# Altium PCB CM4-Main.PcbDoc
Units mil, origin at the board's own origin, x right, y up, seen from the top; angles counter-clockwise.
Board outline 2204.72 x 3346.46 mil, 6 copper layers (Top, GND1, Power, Signal, GND2, Bottom), stack 60.827 mil thick; 1 components, 63 nets, 206 pads, 0 vias.
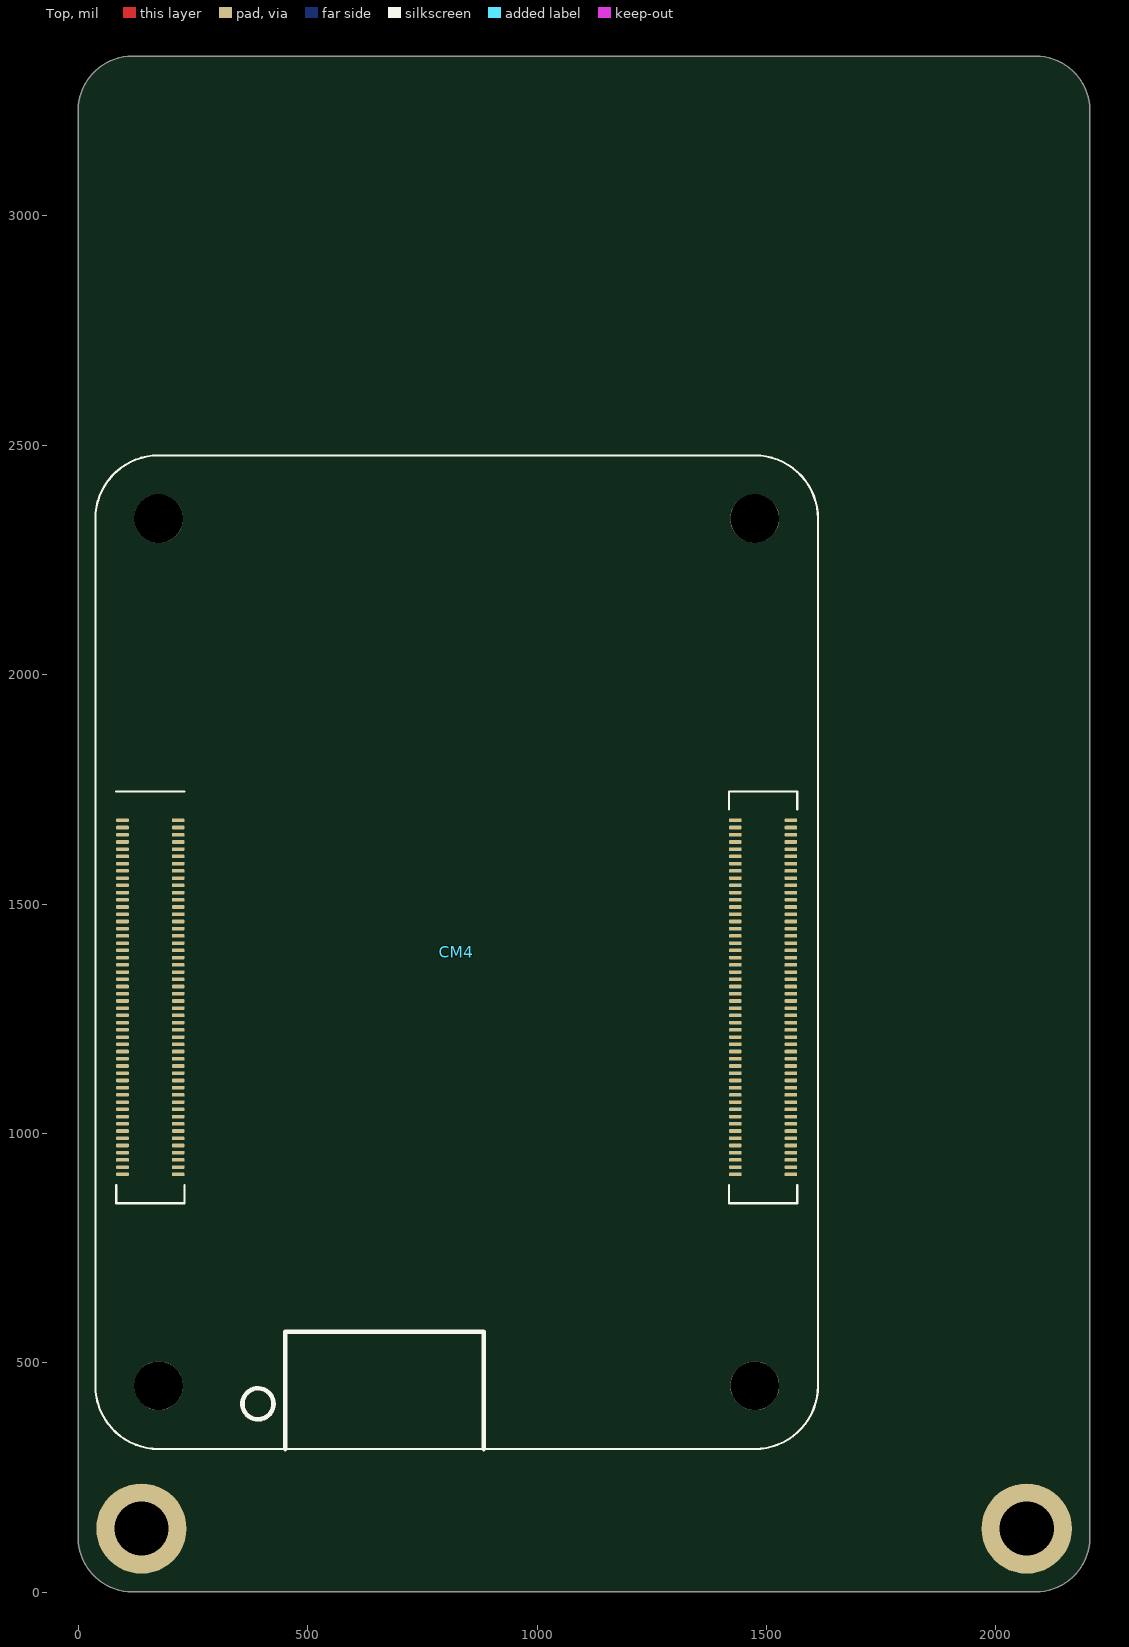
[diagram p0: Top view]
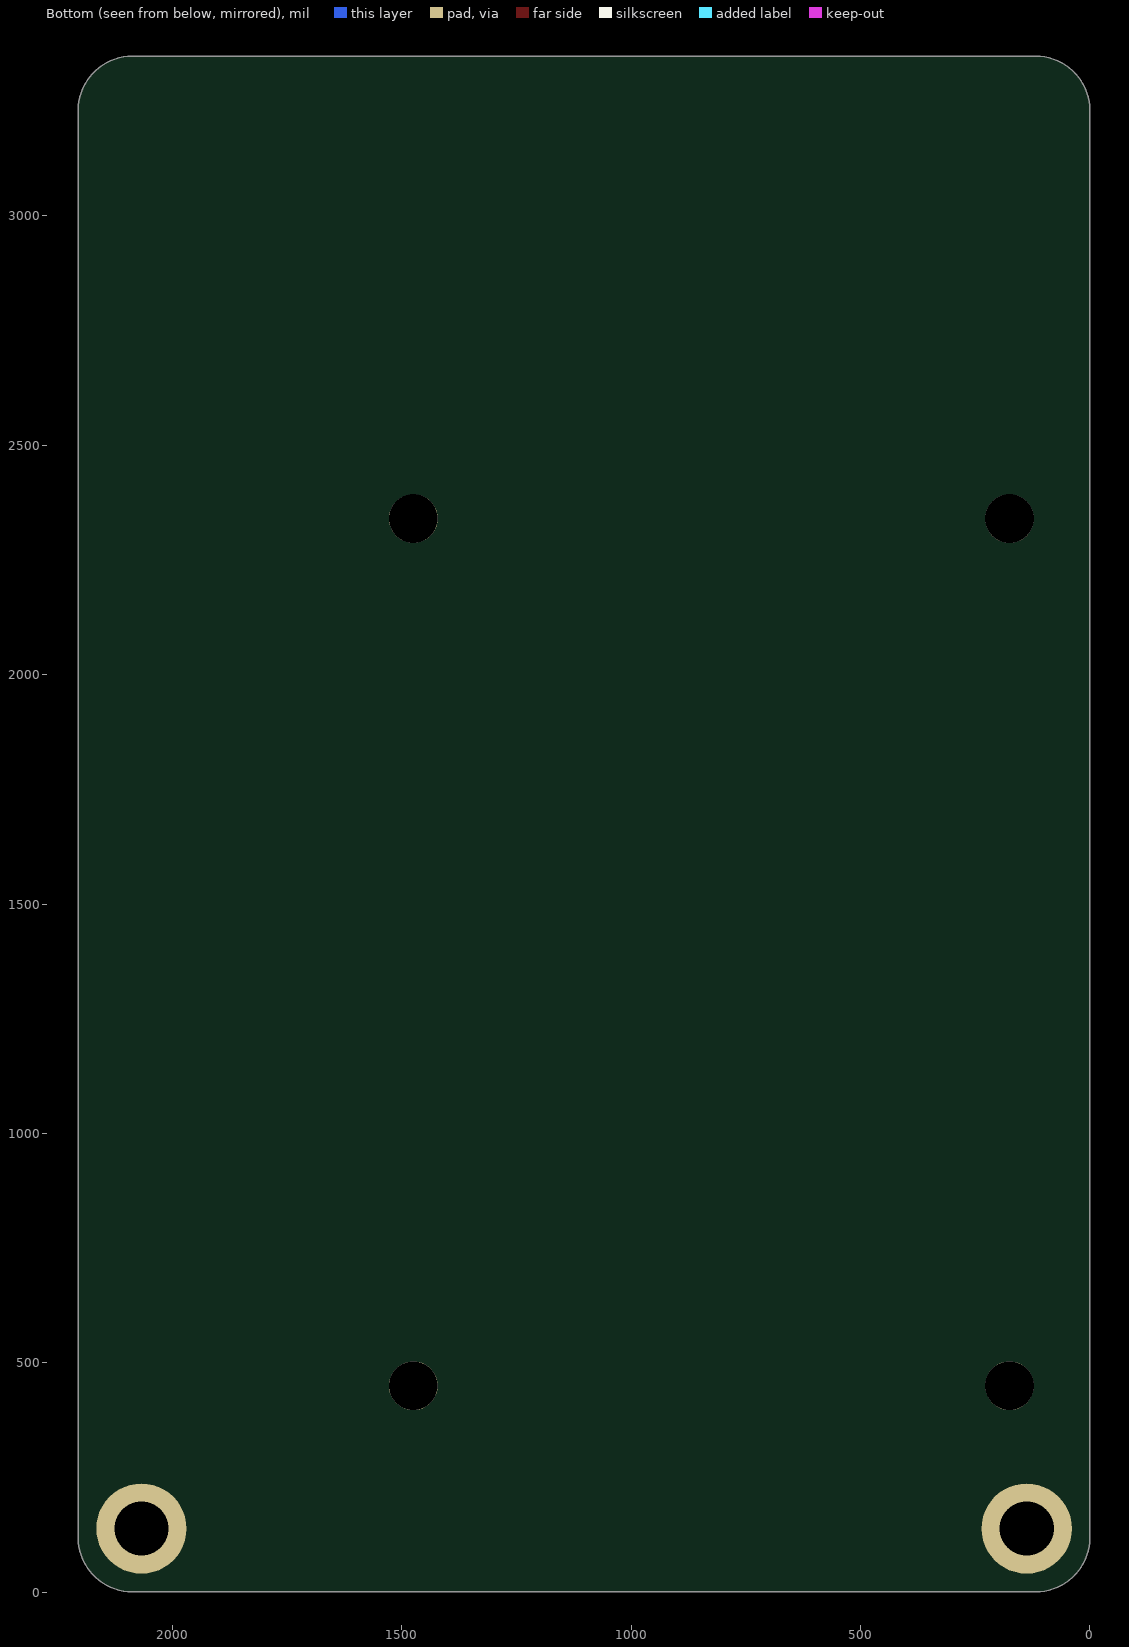
[diagram p1: Bottom view, seen from below]
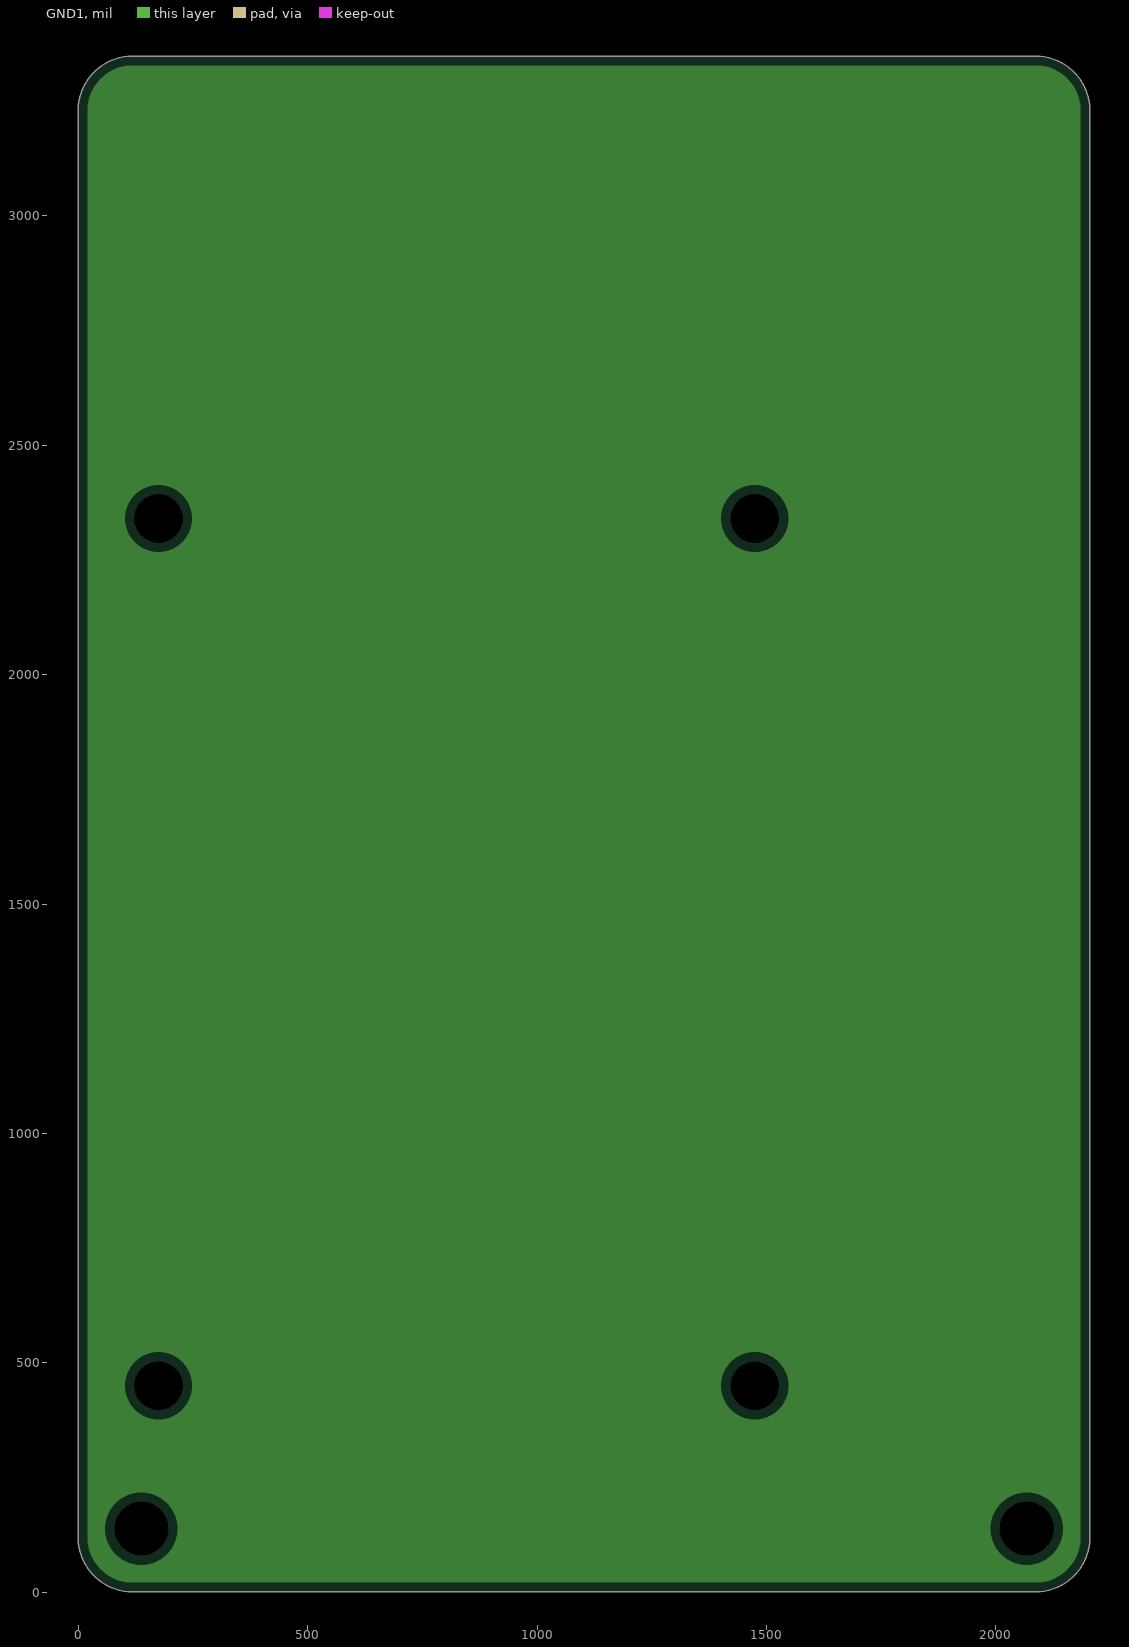
[diagram p2: GND1, clearances drawn from the general rule]
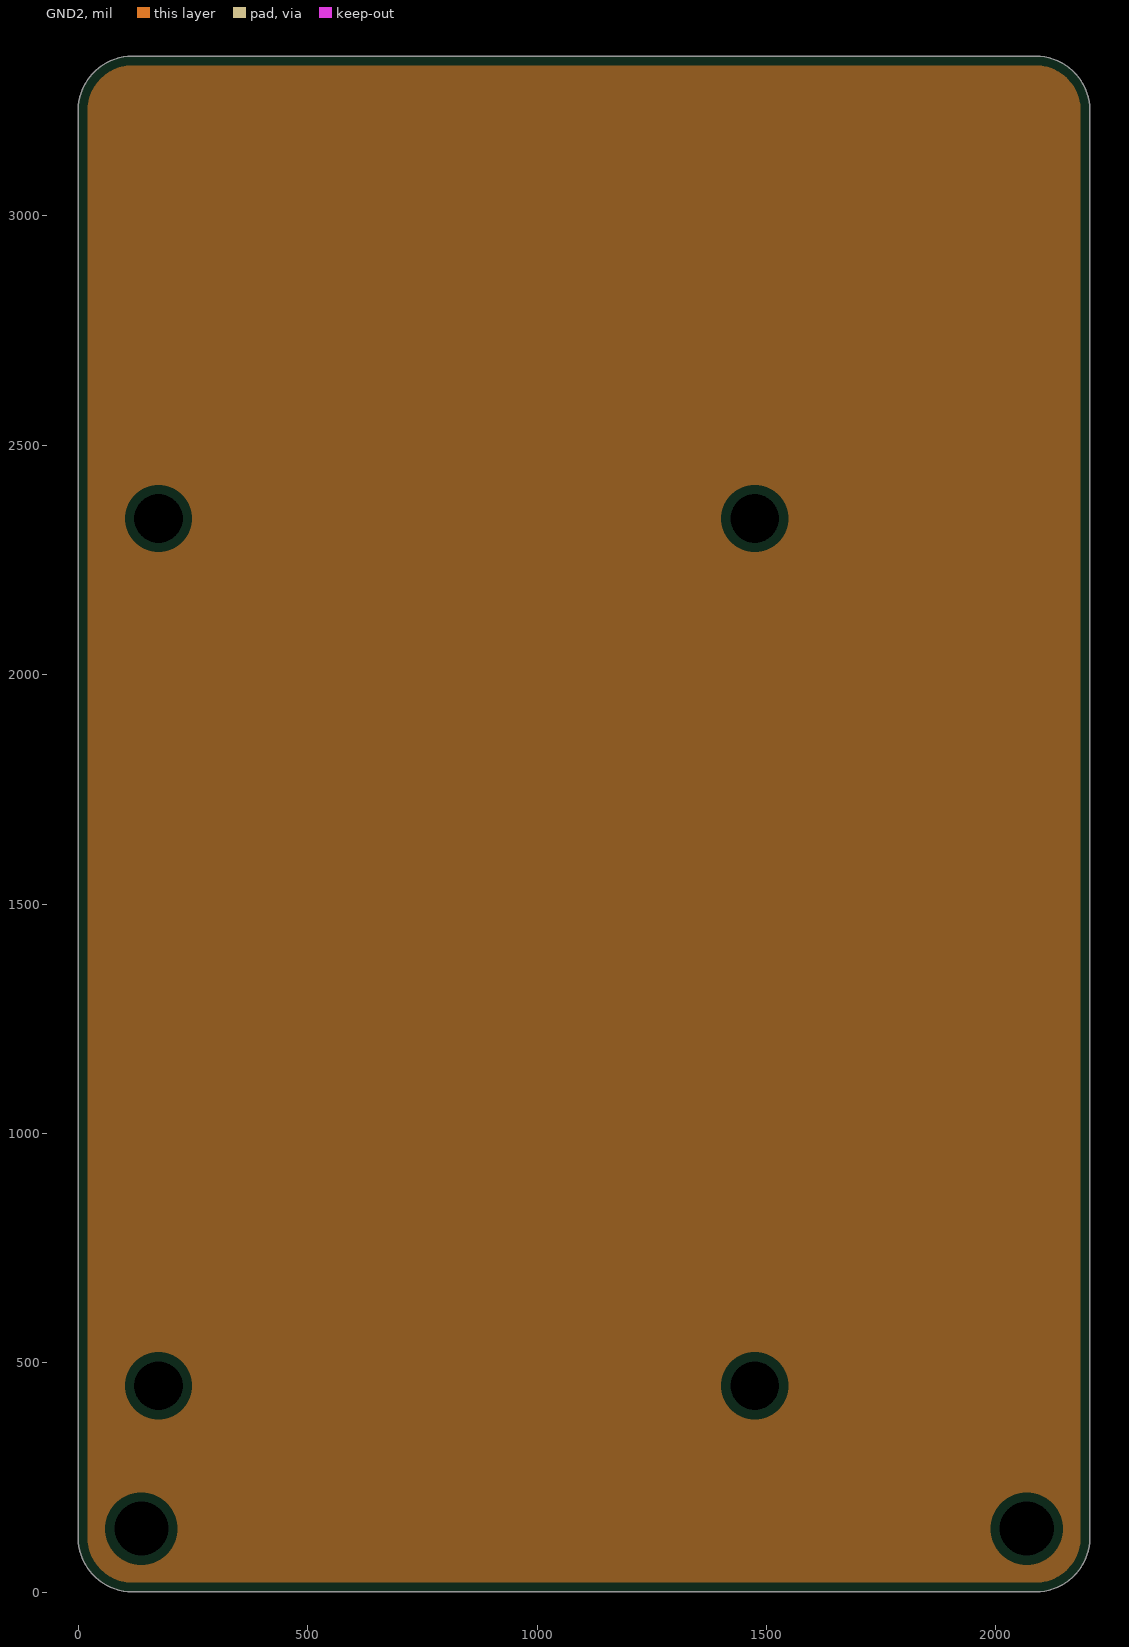
[diagram p3: GND2, clearances drawn from the general rule]

## Layer stack, top to bottom
Top Solder: solder mask 1, SM-001, Dk 4
Top: signal copper 2.7559
7628_PP1: prepreg 8.4646, PP-S1000H, Dk 4.58
GND1: plane copper 2.7559
2x2116_Core1: core 9.4488, Core-S1000H, Dk 4.48
Power: signal copper 2.7559
7628_PP2: prepreg 8.4646, PP-S1000H, Dk 4.58
Signal: signal copper 2.7559
2x2116_Core2: core 9.4488, Core-S1000H, Dk 4.48
GND2: plane copper 2.7559
7628_PP3: prepreg 8.4646, PP-S1000H, Dk 4.58
Bottom: signal copper 2.7559
Bottom Solder: solder mask 1, SM-001, Dk 4

## Board outline
0.16,119.24 ccw(c118.27,119.24) 118.27,1.13 2086.77,1.13 ccw(c2086.77,119.24) 2204.88,119.24 2204.88,3229.47 ccw(c2086.77,3229.47) 2086.77,3347.58 118.27,3347.58 ccw(c118.27,3229.47) 0.16,3229.47

## Design rules (kind name [scope] priority, off if disabled: settings)
Clearance [All] p1: gap=4 ignorepadtopadclearanceinfootprint=FALSE
DiffPairsRouting [All] p1: maxlimit=10 minlimit=10 mostfreqgap=10 toplayer_minwidth=15 toplayer_maxwidth=15 toplayer_prefwidth=15 midlayer1_minwidth=15 midlayer1_maxwidth=15 midlayer1_prefwidth=15 midlayer2_minwidth=15 midlayer2_maxwidth=15 midlayer2_prefwidth=15 bottomlayer_minwidth=15 bottomlayer_maxwidth=15 bottomlayer_prefwidth=15 maxuncoupledlength=500
PlaneClearance [All] p1: clearance=20
PlaneConnect [All] p1: planeconnectstyle=Relief reliefexpansion=20 reliefentries=4 reliefconductorwidth=10 reliefairgap=10
PolygonConnect [All] p1: connectstyle=Relief reliefconductorwidth=10 reliefentries=4 polygonreliefangle="90 Angle" airgapwidth=10
RoutingVias [All] p1: holewidth=28 width=50 viastyle="Through Hole" minholewidth=28 minwidth=50 maxholewidth=28 maxwidth=50
SolderMaskExpansion [All] p1: expansion=4 istentingtop=FALSE
Width [All] p1: maxlimit=100 minlimit=4 preferedwidth=4
27 further rules are at their usual default settings.

## Classes and differential pairs
differential pair class DIFF_USB2.0: USB2
differential pair class DIFF_90Ohm_USB2.0: USB2
differential pair class DIFF_PCIe: PCIE_CLK PCIE_RX PCIE_TX
differential pair class DIFF_MIPI: CAM0_C CAM0_D0 CAM0_D1 CAM1_C CAM1_D0 CAM1_D1 CAM1_D2 CAM1_D3 DSI0_C DSI0_D0 DSI0_D1 DSI1_C DSI1_D0 DSI1_D1 DSI1_D2 DSI1_D3
differential pair class DIFF_LAN_GB: TRD0 TRD1 TRD2 TRD3
differential pair class DIFF_HDMI: HDMI0_CLK HDMI0_TX0 HDMI0_TX1 HDMI0_TX2 HDMI1_CLK HDMI1_TX0 HDMI1_TX1 HDMI1_TX2
differential pair class DIFF_100Ohm_MIPI: CAM0_C CAM0_D0 CAM0_D1 CAM1_C CAM1_D0 CAM1_D1 CAM1_D2 CAM1_D3 DSI0_C DSI0_D0 DSI0_D1 DSI1_C DSI1_D0 DSI1_D1 DSI1_D2 DSI1_D3
differential pair class DIFF_100Ohm_HDMI: HDMI0_CLK HDMI0_TX0 HDMI0_TX1 HDMI0_TX2 HDMI1_CLK HDMI1_TX0 HDMI1_TX1 HDMI1_TX2
differential pair class DIFF_100Ohm_GBE: TRD0 TRD1 TRD2 TRD3
differential pair class DIFF_90Ohm_PCIe: PCIE_CLK PCIE_RX PCIE_TX
net class USB2.0_480Mbps: USB2_N USB2_P
net class PCIe_5Gbps: PCIE_CLK_N PCIE_CLK_P PCIE_RX_N PCIE_RX_P PCIE_TX_N PCIE_TX_P
net class MIPI_1Gbps: CAM0_C_N CAM0_C_P CAM0_D0_N CAM0_D0_P CAM0_D1_N CAM0_D1_P CAM1_C_N CAM1_C_P CAM1_D0_N CAM1_D0_P CAM1_D1_N CAM1_D1_P CAM1_D2_N CAM1_D2_P CAM1_D3_N CAM1_D3_P DSI0_C_N DSI0_C_P DSI0_D0_N DSI0_D0_P DSI0_D1_N DSI0_D1_P DSI1_C_N DSI1_C_P DSI1_D0_N DSI1_D0_P DSI1_D1_N DSI1_D1_P DSI1_D2_N DSI1_D2_P DSI1_D3_N DSI1_D3_P
net class HDMI_18Gbps: HDMI0_CLK_N HDMI0_CLK_P HDMI0_TX0_N HDMI0_TX0_P HDMI0_TX1_N HDMI0_TX1_P HDMI0_TX2_N HDMI0_TX2_P HDMI1_CLK_N HDMI1_CLK_P HDMI1_TX0_N HDMI1_TX0_P HDMI1_TX1_N HDMI1_TX1_P HDMI1_TX2_N HDMI1_TX2_P
net class GBE_1Gbps: TRD0_N TRD0_P TRD1_N TRD1_P TRD2_N TRD2_P TRD3_N TRD3_P
differential pair TRD3: +TRD3_P -TRD3_N
differential pair TRD2: +TRD2_P -TRD2_N
differential pair TRD1: +TRD1_P -TRD1_N
differential pair TRD0: +TRD0_P -TRD0_N
differential pair PCIE_TX: +PCIE_TX_P -PCIE_TX_N
differential pair PCIE_RX: +PCIE_RX_P -PCIE_RX_N
differential pair PCIE_CLK: +PCIE_CLK_P -PCIE_CLK_N
differential pair HDMI1_TX2: +HDMI1_TX2_P -HDMI1_TX2_N
differential pair HDMI1_TX1: +HDMI1_TX1_P -HDMI1_TX1_N
differential pair HDMI1_TX0: +HDMI1_TX0_P -HDMI1_TX0_N
differential pair HDMI1_CLK: +HDMI1_CLK_P -HDMI1_CLK_N
differential pair HDMI0_TX2: +HDMI0_TX2_P -HDMI0_TX2_N
differential pair HDMI0_TX1: +HDMI0_TX1_P -HDMI0_TX1_N
differential pair HDMI0_TX0: +HDMI0_TX0_P -HDMI0_TX0_N
differential pair HDMI0_CLK: +HDMI0_CLK_P -HDMI0_CLK_N
differential pair DSI1_D3: +DSI1_D3_P -DSI1_D3_N
differential pair DSI1_D2: +DSI1_D2_P -DSI1_D2_N
differential pair DSI1_D1: +DSI1_D1_P -DSI1_D1_N
differential pair DSI1_D0: +DSI1_D0_P -DSI1_D0_N
differential pair DSI1_C: +DSI1_C_P -DSI1_C_N
differential pair DSI0_D1: +DSI0_D1_P -DSI0_D1_N
differential pair DSI0_D0: +DSI0_D0_P -DSI0_D0_N
differential pair DSI0_C: +DSI0_C_P -DSI0_C_N
differential pair CAM1_D3: +CAM1_D3_P -CAM1_D3_N
differential pair CAM1_D2: +CAM1_D2_P -CAM1_D2_N
differential pair CAM1_D1: +CAM1_D1_P -CAM1_D1_N
differential pair CAM1_D0: +CAM1_D0_P -CAM1_D0_N
differential pair CAM1_C: +CAM1_C_P -CAM1_C_N
differential pair CAM0_D1: +CAM0_D1_P -CAM0_D1_N
differential pair CAM0_D0: +CAM0_D0_P -CAM0_D0_N
differential pair CAM0_C: +CAM0_C_P -CAM0_C_N

## Components (designator, comment, footprint, x,y, rotation, side; value= is the part's Value field where it differs from the comment)
CM4 "Raspberry Pi Compute Module 4" CM4-F40C-100DS-0.4V_1.5MM_0MM 825,1395 r180 top

## Footprints (in the part's own frame and the unit in brackets; to place one, negate y for a bottom-side part, rotate by r counter-clockwise, add the part's x,y. Pads: shape width x height; smd on the part's side, far side on the other; paste and mask are expansions set on the pad)
CM4-F40C-100DS-0.4V_1.5MM_0MM [mm] "DF40C-100DS-0.4v by Amornthep Phunsin"
  round 2.7 hole 2.7: 0(-16.5,24) 0(-16.5,-24) 0(16.5,24) 0(16.5,-24)
  rrect50% 0.7x0.2 smd: 1(18.5,-7.3) 2(15.42,-7.3) 3(18.5,-6.9) 4(15.42,-6.9) 5(18.5,-6.5) 6(15.42,-6.5) 7(18.5,-6.1) 8(15.42,-6.1) 9(18.5,-5.7) 10(15.42,-5.7) 11(18.5,-5.3) 12(15.42,-5.3) 13(18.5,-4.9) 14(15.42,-4.9) 15(18.5,-4.5) 16(15.42,-4.5) 17(18.5,-4.1) 18(15.42,-4.1) 19(18.5,-3.7) 20(15.42,-3.7) 21(18.5,-3.3) 22(15.42,-3.3) 23(18.5,-2.9) 24(15.42,-2.9) 25(18.5,-2.5) 26(15.42,-2.5) 27(18.5,-2.1) 28(15.42,-2.1) 29(18.5,-1.7) 30(15.42,-1.7) 31(18.5,-1.3) 32(15.42,-1.3) 33(18.5,-0.9) 34(15.42,-0.9) 35(18.5,-0.5) 36(15.42,-0.5) 37(18.5,-0.1) 38(15.42,-0.1) 39(18.5,0.3) 40(15.42,0.3) 41(18.5,0.7) 42(15.42,0.7) 43(18.5,1.1) 44(15.42,1.1) 45(18.5,1.5) 46(15.42,1.5) 47(18.5,1.9) 48(15.42,1.9) 49(18.5,2.3) 50(15.42,2.3) 51(18.5,2.7) 52(15.42,2.7) 53(18.5,3.1) 54(15.42,3.1) 55(18.5,3.5) 56(15.42,3.5) 57(18.5,3.9) 58(15.42,3.9) 59(18.5,4.3) 60(15.42,4.3) 61(18.5,4.7) 62(15.42,4.7) 63(18.5,5.1) 64(15.42,5.1) 65(18.5,5.5) 66(15.42,5.5) 67(18.5,5.9) 68(15.42,5.9) 69(18.5,6.3) 70(15.42,6.3) 71(18.5,6.7) 72(15.42,6.7) 73(18.5,7.1) 74(15.42,7.1) 75(18.5,7.5) 76(15.42,7.5) 77(18.5,7.9) 78(15.42,7.9) 79(18.5,8.3) 80(15.42,8.3) 81(18.5,8.7) 82(15.42,8.7) 83(18.5,9.1) 84(15.42,9.1) 85(18.5,9.5) 86(15.42,9.5) 87(18.5,9.9) 88(15.42,9.9) 89(18.5,10.3) 90(15.42,10.3) 91(18.5,10.7) 92(15.42,10.7) 93(18.5,11.1) 94(15.42,11.1) 95(18.5,11.5) 96(15.42,11.5) 97(18.5,11.9) 98(15.42,11.9) 99(18.5,12.3) 100(15.42,12.3) 101(-15.42,-7.3) 102(-18.5,-7.3) 103(-15.42,-6.9) 104(-18.5,-6.9) 105(-15.42,-6.5) 106(-18.5,-6.5) 107(-15.42,-6.1) 108(-18.5,-6.1) 109(-15.42,-5.7) 110(-18.5,-5.7) 111(-15.42,-5.3) 112(-18.5,-5.3) 113(-15.42,-4.9) 114(-18.5,-4.9) 115(-15.42,-4.5) 116(-18.5,-4.5) 117(-15.42,-4.1) 118(-18.5,-4.1) 119(-15.42,-3.7) 120(-18.5,-3.7) 121(-15.42,-3.3) 122(-18.5,-3.3) 123(-15.42,-2.9) 124(-18.5,-2.9) 125(-15.42,-2.5) 126(-18.5,-2.5) 127(-15.42,-2.1) 128(-18.5,-2.1) 129(-15.42,-1.7) 130(-18.5,-1.7) 131(-15.42,-1.3) 132(-18.5,-1.3) 133(-15.42,-0.9) 134(-18.5,-0.9) 135(-15.42,-0.5) 136(-18.5,-0.5) 137(-15.42,-0.1) 138(-18.5,-0.1) 139(-15.42,0.3) 140(-18.5,0.3) 141(-15.42,0.7) 142(-18.5,0.7) 143(-15.42,1.1) 144(-18.5,1.1) 145(-15.42,1.5) 146(-18.5,1.5) 147(-15.42,1.9) 148(-18.5,1.9) 149(-15.42,2.3) 150(-18.5,2.3) 151(-15.42,2.7) 152(-18.5,2.7) 153(-15.42,3.1) 154(-18.5,3.1) 155(-15.42,3.5) 156(-18.5,3.5) 157(-15.42,3.9) 158(-18.5,3.9) 159(-15.42,4.3) 160(-18.5,4.3) 161(-15.42,4.7) 162(-18.5,4.7) 163(-15.42,5.1) 164(-18.5,5.1) 165(-15.42,5.5) 166(-18.5,5.5) 167(-15.42,5.9) 168(-18.5,5.9) 169(-15.42,6.3) 170(-18.5,6.3) 171(-15.42,6.7) 172(-18.5,6.7) 173(-15.42,7.1) 174(-18.5,7.1) 175(-15.42,7.5) 176(-18.5,7.5) 177(-15.42,7.9) 178(-18.5,7.9) 179(-15.42,8.3) 180(-18.5,8.3) 181(-15.42,8.7) 182(-18.5,8.7) 183(-15.42,9.1) 184(-18.5,9.1) 185(-15.42,9.5) 186(-18.5,9.5) 187(-15.42,9.9) 188(-18.5,9.9) 189(-15.42,10.3) 190(-18.5,10.3) 191(-15.42,10.7) 192(-18.5,10.7) 193(-15.42,11.1) 194(-18.5,11.1) 195(-15.42,11.5) 196(-18.5,11.5) 197(-15.42,11.9) 198(-18.5,11.9) 199(-15.42,12.3) 200(-18.5,12.3)
  silkscreen extent -20,-27.5 20,27.5, body extent -20,-27.5 20,27.5, height 5.15

## Part data
CM4: library part CM4

## Free pads (board coordinates)
  round 196.85 hole 118.11: ""(137.95,138.92) ""(2067.09,138.92)

## Nets (pads, with @x,y where several pads share a name; then routed paths per layer and width w, separated by ;. In a path a pad name is that pad's centre, name@x,y a point inside that pad or via, vN(x,y) a via of type N, cw(c..) or ccw(c..) an arc to the next point about the centre after c; other vN are vias at no path point)
CAM0_C_N: CM4.140
CAM0_C_P: CM4.142
CAM0_D0_N: CM4.128
CAM0_D0_P: CM4.130
CAM0_D1_N: CM4.134
CAM0_D1_P: CM4.136
CAM1_C_N: CM4.127
CAM1_C_P: CM4.129
CAM1_D0_N: CM4.115
CAM1_D0_P: CM4.117
CAM1_D1_N: CM4.121
CAM1_D1_P: CM4.123
CAM1_D2_N: CM4.133
CAM1_D2_P: CM4.135
CAM1_D3_N: CM4.139
CAM1_D3_P: CM4.141
DSI0_C_N: CM4.169
DSI0_C_P: CM4.171
DSI0_D0_N: CM4.157
DSI0_D0_P: CM4.159
DSI0_D1_N: CM4.163
DSI0_D1_P: CM4.165
DSI1_C_N: CM4.187
DSI1_C_P: CM4.189
DSI1_D0_N: CM4.175
DSI1_D0_P: CM4.177
DSI1_D1_N: CM4.181
DSI1_D1_P: CM4.183
DSI1_D2_N: CM4.193
DSI1_D2_P: CM4.195
DSI1_D3_N: CM4.194
DSI1_D3_P: CM4.196
HDMI0_CLK_N: CM4.190
HDMI0_CLK_P: CM4.188
HDMI0_TX0_N: CM4.184
HDMI0_TX0_P: CM4.182
HDMI0_TX1_N: CM4.178
HDMI0_TX1_P: CM4.176
HDMI0_TX2_N: CM4.172
HDMI0_TX2_P: CM4.170
HDMI1_CLK_N: CM4.166
HDMI1_CLK_P: CM4.164
HDMI1_TX0_N: CM4.160
HDMI1_TX0_P: CM4.158
HDMI1_TX1_N: CM4.154
HDMI1_TX1_P: CM4.152
HDMI1_TX2_N: CM4.148
HDMI1_TX2_P: CM4.146
PCIE_CLK_N: CM4.112
PCIE_CLK_P: CM4.110
PCIE_RX_N: CM4.118
PCIE_RX_P: CM4.116
PCIE_TX_N: CM4.124
PCIE_TX_P: CM4.122
TRD0_N: CM4.10
TRD0_P: CM4.12
TRD1_N: CM4.6
TRD1_P: CM4.4
TRD2_N: CM4.9
TRD2_P: CM4.11
TRD3_N: CM4.5
TRD3_P: CM4.3
USB2_P: CM4.105
pads on no net: CM4.0 CM4.1 CM4.2 CM4.7 CM4.8 CM4.13 CM4.14 CM4.15 CM4.16 CM4.17 CM4.18 CM4.19 CM4.20 CM4.21 CM4.22 CM4.23 CM4.24 CM4.25 CM4.26 CM4.27 CM4.28 CM4.29 CM4.30 CM4.31 CM4.32 CM4.33 CM4.34 CM4.35 CM4.36 CM4.37 CM4.38 CM4.39 CM4.40 CM4.41 CM4.42 CM4.43 CM4.44 CM4.45 CM4.46 CM4.47 CM4.48 CM4.49 CM4.50 CM4.51 CM4.52 CM4.53 CM4.54 CM4.55 CM4.56 CM4.57 CM4.58 CM4.59 CM4.60 CM4.61 CM4.62 CM4.63 CM4.64 CM4.65 CM4.66 CM4.67 CM4.68 CM4.69 CM4.70 CM4.71 CM4.72 CM4.73 CM4.74 CM4.75 CM4.76 CM4.77 CM4.78 CM4.79 CM4.80 CM4.81 CM4.82 CM4.83 CM4.84 CM4.85 CM4.86 CM4.87 CM4.88 CM4.89 CM4.90 CM4.91 CM4.92 CM4.93 CM4.94 CM4.95 CM4.96 CM4.97 CM4.98 CM4.99 CM4.100 CM4.101 CM4.102 CM4.103 CM4.104 CM4.106 CM4.107 CM4.108 CM4.109 CM4.111 CM4.113 CM4.114 CM4.119 CM4.120 CM4.125 CM4.126 CM4.131 CM4.132 CM4.137 CM4.138 CM4.143 CM4.144 CM4.145 CM4.147 CM4.149 CM4.150 CM4.151 CM4.153 CM4.155 CM4.156 CM4.161 CM4.162 CM4.167 CM4.168 CM4.173 CM4.174 CM4.179 CM4.180 CM4.185 CM4.186 CM4.191 CM4.192 CM4.197 CM4.198 CM4.199 CM4.200

## Polygon pours and split planes (outlines as drawn)
no net on GND1 (split plane): 2095.32,3327.2 2103.81,3326.09 2112.16,3324.23 2120.32,3321.66 2128.23,3318.39 2135.82,3314.43 2143.04,3309.84 2149.83,3304.63 2156.14,3298.84 2161.92,3292.53 2167.13,3285.74 2171.73,3278.53 2175.68,3270.93 2178.96,3263.03 2181.53,3254.86 2183.38,3246.51 2184.5,3238.02 2184.85,3230.11 2184.78,3229.47 2184.78,119.24 2184.85,118.6 2184.5,110.69 2183.38,102.2 2181.53,93.85 2178.96,85.68 2175.68,77.78 2171.73,70.19 2167.13,62.97 2161.92,56.18 2156.14,49.87 2149.83,44.09 2143.04,38.88 2135.82,34.28 2128.23,30.33 2120.32,27.05 2112.16,24.48 2103.81,22.62 2095.32,21.51 2087.41,21.16 2086.77,21.22 118.27,21.22 117.63,21.16 109.72,21.51 101.23,22.62 92.88,24.48 84.71,27.05 76.81,30.33 69.21,34.28 62,38.88 55.21,44.09 48.9,49.87 43.11,56.18 37.9,62.97 33.31,70.19 29.35,77.78 26.08,85.68 23.51,93.85 21.65,102.2 20.54,110.69 20.19,118.6 20.25,119.24 20.25,3229.47 20.19,3230.11 20.54,3238.02 21.65,3246.51 23.51,3254.86 26.08,3263.03 29.35,3270.93 33.31,3278.53 37.9,3285.74 43.11,3292.53 48.9,3298.84 55.21,3304.63 62,3309.84 69.21,3314.43 76.81,3318.39 84.71,3321.66 92.88,3324.23 101.23,3326.09 109.72,3327.2 117.63,3327.55 118.27,3327.49 2086.77,3327.49 2087.41,3327.55
no net on GND2 (split plane): 2095.32,3327.2 2103.81,3326.09 2112.16,3324.23 2120.32,3321.66 2128.23,3318.39 2135.82,3314.43 2143.04,3309.84 2149.83,3304.63 2156.14,3298.84 2161.92,3292.53 2167.13,3285.74 2171.73,3278.53 2175.68,3270.93 2178.96,3263.03 2181.53,3254.86 2183.38,3246.51 2184.5,3238.02 2184.85,3230.11 2184.78,3229.47 2184.78,119.24 2184.85,118.6 2184.5,110.69 2183.38,102.2 2181.53,93.85 2178.96,85.68 2175.68,77.78 2171.73,70.19 2167.13,62.97 2161.92,56.18 2156.14,49.87 2149.83,44.09 2143.04,38.88 2135.82,34.28 2128.23,30.33 2120.32,27.05 2112.16,24.48 2103.81,22.62 2095.32,21.51 2087.41,21.16 2086.77,21.22 118.27,21.22 117.63,21.16 109.72,21.51 101.23,22.62 92.88,24.48 84.71,27.05 76.81,30.33 69.21,34.28 62,38.88 55.21,44.09 48.9,49.87 43.11,56.18 37.9,62.97 33.31,70.19 29.35,77.78 26.08,85.68 23.51,93.85 21.65,102.2 20.54,110.69 20.19,118.6 20.25,119.24 20.25,3229.47 20.19,3230.11 20.54,3238.02 21.65,3246.51 23.51,3254.86 26.08,3263.03 29.35,3270.93 33.31,3278.53 37.9,3285.74 43.11,3292.53 48.9,3298.84 55.21,3304.63 62,3309.84 69.21,3314.43 76.81,3318.39 84.71,3321.66 92.88,3324.23 101.23,3326.09 109.72,3327.2 117.63,3327.55 118.27,3327.49 2086.77,3327.49 2087.41,3327.55

## Silkscreen, mask and mechanical layers (free items; w line width, h text height)
Mechanical 1:
  the board outline again, w10

## Text inside footprints (layer, text, board x,y; h text height)
CM4: Mechanical 4 "GPIO" at 175.39,1370.41 h27.56 r90; Mechanical 4 "SD" at 179.33,1119.75 h27.56 r90; Mechanical 4 "3V3" at 202.95,1055.45 h27.56 r90; Mechanical 4 "1V8" at 202.95,953.08 h27.56 r90; Mechanical 4 "DS1" at 1513.98,881.24 h27.56 r90; Mechanical 4 "DSI0" at 1490.35,1121.4 h27.56 r90; Mechanical 4 "5V" at 155.71,1005.24 h27.56 r90; Mechanical 4 "CAM0" at 1533.66,1364.18 h27.56 r90; Mechanical 4 "HDMI0" at 1533.66,986.55 h27.56 r90; Mechanical 4 "TV" at 1494.29,1503.29 h27.56 r90; Mechanical 4 "ETH" at 175.39,1582.03 h27.56 r90; Mechanical 4 "HDMI1" at 1537.6,1160.44 h27.56 r90; Mechanical 4 "CAM1" at 1490.35,1365.5 h27.56 r90; Mechanical 4 "USB" at 1490.35,1557.76 h27.56 r90; Mechanical 4 "PCIe" at 1533.66,1515.1 h27.56 r90; Mechanical 4 "Wireless / Cutout" at 861.68,485.55 h35.43 r180